# Altium PCB 智能锁实践教学平台.PcbDoc (part 2 of 3)
Units mil, origin at the board's own origin, x right, y up, seen from the top; angles counter-clockwise.
Board outline 8937.01 x 5984.25 mil, 2 copper layers (Top Layer, Bottom Layer); 219 components, 185 nets, 950 pads, 283 vias.
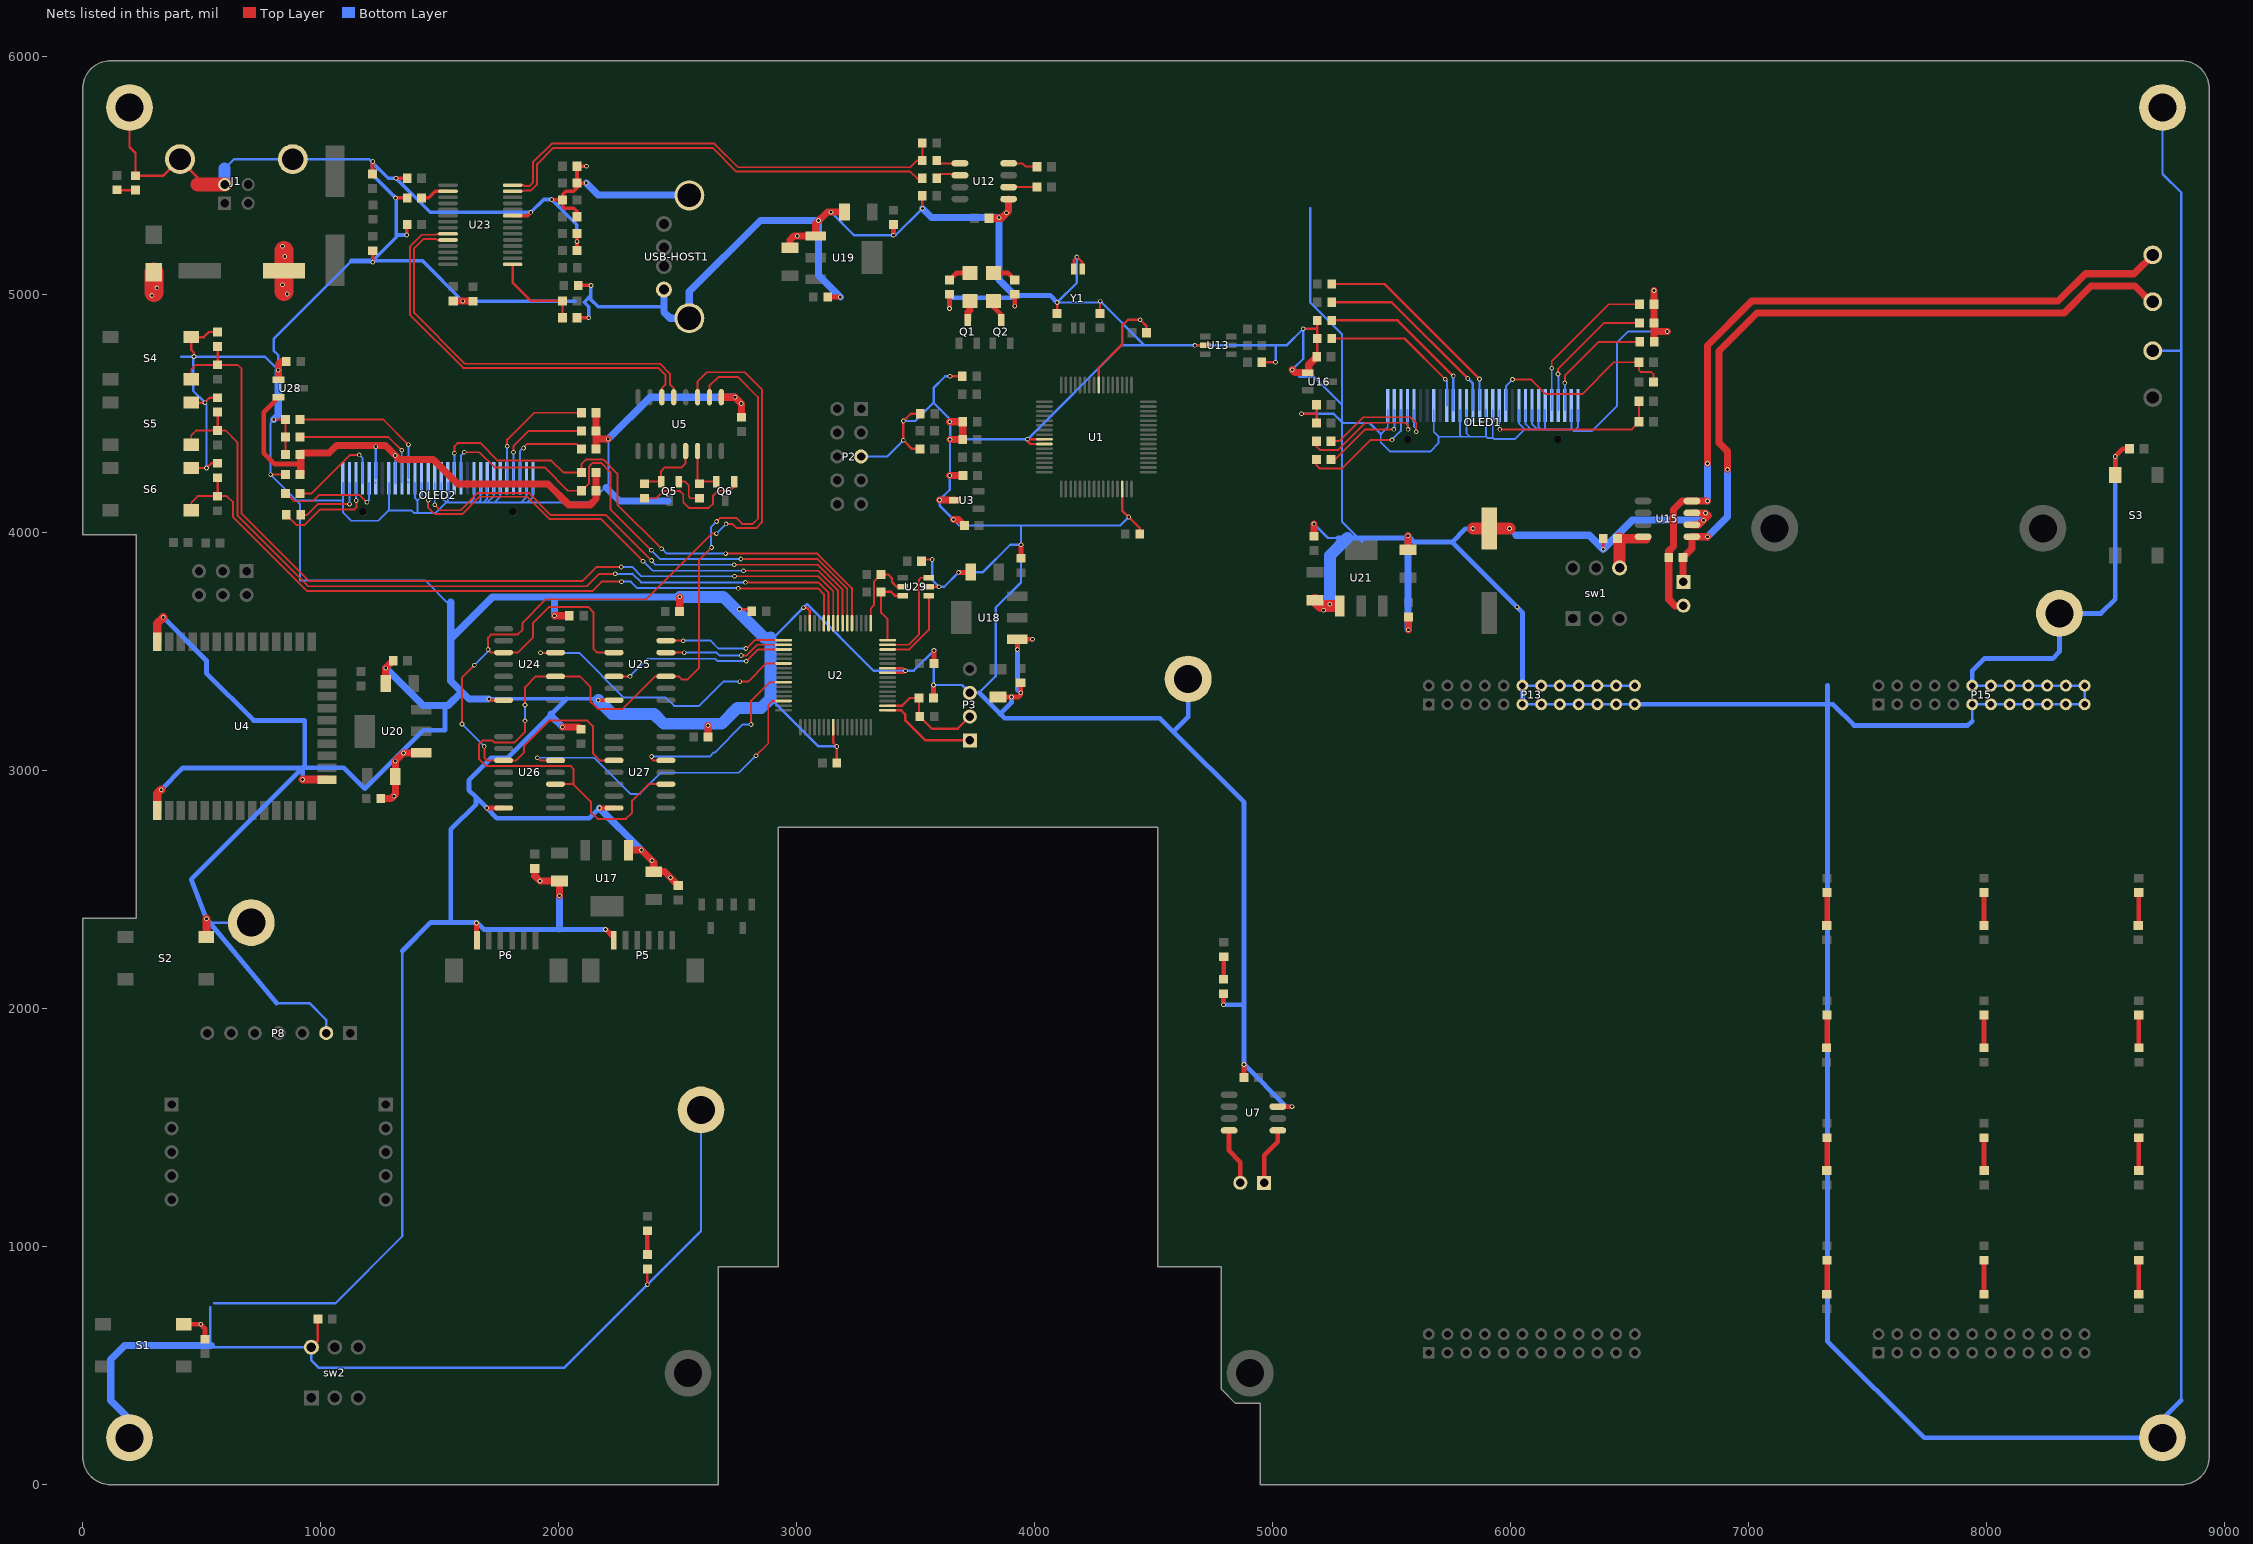
[diagram p2: the nets of this part, all layers, seen from the top]

## Via types
v1: diameter 19.68, hole 11.81, Top Layer to Bottom Layer, 283 vias

## Nets (pads, with @x,y where several pads share a name; then routed paths per layer and width w, separated by ;. In a path a pad name is that pad's centre, name@x,y a point inside that pad or via, vN(x,y) a via of type N, cw(c..) or ccw(c..) an arc to the next point about the centre after c; other vN are vias at no path point) (continued)
GND: C1.1 C2.1 C3.1 C4.1 C5.1 C6.1 C7.1 C8.1 C9.1 C10.1 C11.1 C12.1 C13.1 C14.2 C15.2 C16.2 C17.1 C18.2 C21.2 C22.2 C23.1 C24.1 C25.1 C26.1 C27.1 C29.2 C30.1 C31.2 C32.2 C33.2 C34.2 C35.2 C36.2 C37.2 C38.2 C39.2 C40.2 C41.2 C42.2 C43.2 C44.2 C45.2 C46.2 C47.2 C48.2 C49.2 C50.2 C51.2 C52.1 C53.1 C54.1 C55.1 C56.1 C57.1 C58.1 C59.2 C60.2 C61.1 C62.1 C63.1 C64.1 C67.2 C68.2 C69.1 C70.1 C71.1 C72.1 C73.1 C74.1 C75.2 C76.1 C77.2 C78.1 C79.1 C80.1 C81.1 D18.1 J1.4 J1.SH1 J1.SH2 OLED1.1 OLED1.8 OLED1.12 OLED1.13 OLED1.16 OLED1.17 OLED1.21 OLED1.22 OLED1.23 OLED1.24 OLED1.25 OLED1.29 OLED1.30 OLED2.1 OLED2.8 OLED2.12 OLED2.13 OLED2.16 OLED2.17 OLED2.21 OLED2.22 OLED2.23 OLED2.24 OLED2.25 OLED2.29 OLED2.30 P2.5 P3.3 P5.1 P6.1 P8.2 P9.2 P13.11 P13.12 P13.13 P13.14 P13.15 P13.16 P13.17 P13.18 P13.19 P13.20 P13.21 P13.22 P13.23 P13.24 P15.11 P15.12 P15.13 P15.14 P15.15 P15.16 P15.17 P15.18 P15.19 P15.20 P15.21 P15.22 P15.23 P15.24 pad.1 R3.1 R4.1 R5.1 R6.1 R9.2 R15.1 R16.1 R23.2 R25.1 R38.1 R40.1 R45.1 R46.1 R52.2 S1.2 S2.2 S3.2 S4.2 S5.2 S6.2 sw2.6 U1.9 U1.10 U1.30 U1.56 U2.9 U2.10 U2.30 U2.56 U3.3 U4.1 U4.15 U4.38 U5.1 U7.7 U12.1 U13.2 U15.6 U15.7 U16.1 U17.1 U18.1 U19.1 U20.1 U21.1 U23.23 U24.7 U25.7 U26.7 U27.7 U28.1 U29.2 USB-HOST1.4 USB-HOST1.5 USB-HOST1.6 Y1.3 Y1.4 | length 76662.7
  Top Layer w8: v1(790,4244.74) C67.2@852.69,4244.74 ; v1(803,4475.74) R46.1@852.69,4475.74 R45.1@852.69,4402.74 C68.2@852.69,4331.74
  Top Layer w10: pad.1@196.85,5787.4 pad.1@196.85,5769.89 ; pad.1@225,5741.74 pad.1@196.85,5769.89 ; S6.2@456.3,4272.32 v1(520.58,4272.32) 540.32,4292.06 C71.1@567,4292.06 ; S5.2@456.3,4547.32 v1(513.58,4547.32) 534.31,4568.05 C70.1@567,4568.05 ; v1(468,4740.74) 468,4756.74 456.3,4768.45 S4.2@456.3,4822.32 508.58,4822.32 530.31,4844.05 C69.1@567,4844.05 ; 512.04,5463.78 409,5566.82 J1.SH1@409,5570.47 339.58,5501.06 R9.2@222,5501.06 222,5595.74 196.85,5620.89 pad.1@196.85,5769.89 ; sw2.6@961.29,578.22 988.68,605.62 C26.1@988.68,696.74 ; v1(2373,840.74) R6.1@2373,906.43 ; v1(2760,3678.74) C10.1@2813.68,3678.74 ; v1(3029,3685.74) 3042,3685.74 3055.73,3672.01 U2.30@3055.73,3620.24 ; U2.56@3154.16,3183.24 3154.16,3117.58 v1(3169.32,3102.43) C11.1@3169.32,3032.74 ; U2.9@3382.5,3411.58 3448.84,3411.58 v1(3458,3420.74) 3447.47,3431.27 U2.10@3382.5,3431.27 ; R25.1@3518.69,4352.74 3485,4352.74 v1(3449,4388.74) v1(3449,4469.74) 3480,4500.74 C30.1@3519.68,4500.74 ; C76.1@3525.32,3884.74 3528.32,3887.74 v1(3570,3887.74) ; v1(3528.69,5363.05) C18.2@3528.69,5416.74 ; U29.2@3556.12,3773.74 v1(3598,3773.74) ; v1(3645.04,4657.74) C2.1@3696.68,4657.74 ; U1.10@4041.5,4373.21 3983.53,4373.21 3966,4390.74 3968.16,4392.9 v1(3970,4392.9) U1.9@4041.5,4392.9 ; C1.1@4095,4922.06 v1(4095,4967.74) ; Y1.3@4164.68,5108.94 4164.68,5146.42 v1(4178,5159.74) 4200.11,5137.63 Y1.4@4200.11,5108.94 ; U1.56@4269.84,4621.24 4269.84,4693.91 4368,4792.07 4368,4870.74 4393,4895.74 v1(4444,4895.74) 4470.32,4869.43 C7.1@4470.32,4840.74 ; C3.1@4275,4922.06 4275,4972.74 v1(4276,4973.74) ; U1.30@4368.27,4184.24 4368.27,4094.47 v1(4396,4066.74) 4442.32,4020.43 C9.1@4442.32,3994.74 ; v1(4674,4787.74) U13.2@4716.88,4787.74 ; C23.1@4955.32,4716.74 v1(5013,4716.74) ; v1(5122,4500.74) 5185.37,4500.74 ; v1(5129,4857.74) 5188.37,4857.74 ; C22.2@5185.37,4461.6 5185.37,4500.74 ; C21.2@5185.37,4538.03 5185.37,4500.74 ; C29.2@5188.37,4742.43 R15.1@5188.37,4816.45 5188.37,4857.74 ; R16.1@5188.37,4892.88 5188.37,4857.74 ; v1(6389.68,3931.06) C27.1@6389.68,3976.74
  Top Layer w15: C59.2@1218,5508.06 1218,5559.3 v1(1219,5560.3) ; v1(1219,5137.3) C60.2@1219,5185.43 ; v1(1315,5407.74) R38.1@1363.69,5407.74 ; v1(1317,5489.74) C63.1@1363.68,5489.74 ; v1(1362,5251.74) 1362,5294.06 C58.1@1363.68,5295.74 ; v1(1707,3301.74) 1712,3296.74 U24.7@1768.98,3296.74 ; U23.23@1806.83,5333.13 1869.39,5333.13 v1(1883,5346.74) ; v1@1971,5399.18 C61.1@2016.68,5399.18 ; C64.1@2077.32,4903.74 v1(2127,4903.74) ; C52.1@2077.32,5186.85 R40.1@2077.31,5257.63 ; C54.1@2077.32,5328.41 2077.32,5351.43 2064.35,5364.39 2052.59,5364.39 2052.24,5364.74 2024,5364.74 2016.68,5372.06 C61.1@2016.68,5399.18 ; C57.1@2082.32,5039.74 v1(2136,5039.74) ; v1(2116.22,5469.96) C53.1@2077.32,5469.96 ; v1(2117,5540.74) C55.1@2077.32,5540.74 C53.1@2077.32,5469.96 ; v1(2167,3296.74) U25.7@2232.98,3296.74 ; C61.1@2016.68,5399.18 2016.68,5421.43 2030.43,5435.17 2062.43,5435.17 2077.32,5450.06 C53.1@2077.32,5469.96
  Top Layer w20: S1.2@424.74,673.88 v1(496.42,673.88) 514,656.3 C14.2@514,611.61 ; v1(1655,2360.74) 1655,2289.52 P6.1@1656.97,2287.55 ; v1(1698,2843.74) U26.7@1768.98,2843.74 ; v1(2172.26,2843.74) U27.7@2232.98,2843.74 ; v1(2197.5,2333.24) 2231.97,2298.77 P5.1@2231.97,2287.55 ; C42.2@3131.32,4990.74 v1(3184,4990.74) ; v1(3407,5250.74) C43.2@3407,5295.43 ; C4.1@3575.32,3305.74 v1(3575.32,3360.74) ; C12.1@3577.32,3450.74 v1(3577.32,3506.06) ; v1(3643.11,4942.63) R3.1@3643.11,5002.18 ; v1(3681,3833.74) 3730.34,3833.74 C34.2@3732.34,3835.74 ; C35.2@3847,3310.08 v1(3903,3310.08) 3932.34,3310.08 3942,3319.74 v1(3942,3327.74) C39.2@3942,3369.43 ; v1(3917.11,4952.63) R4.1@3917.11,5002.18 ; v1(3928.11,3509.63) U18.1@3928.11,3553.19 v1(3991.45,3553.19) ; C38.2@3943,3893.06 v1(3943,3949.74) ; v1(4794,2016.74) R5.1@4794,2063.43 ; C15.2@4880.68,1711.74 v1(4880.68,1766.06) ; U7.7@5022.36,1588.74 v1(5082,1588.74) ; S3.2@8541.42,4243.04 v1(8541.42,4321.16) 8574,4353.74 C31.2@8601.69,4353.74
  Top Layer w30: U28.1@823.34,4644.14 823.34,4708.08 835,4719.74 C75.2@855.68,4719.74 ; C47.2@1252.32,2883.74 1297,2883.74 1314,2900.74 v1(1314,3040.74) v1(1348.45,3075.19) U20.1@1422.11,3075.19 ; C44.2@1273.34,3366.74 v1(1273.34,3431.39) C46.2@1304.68,3462.74 ; C56.1@1557,4974.43 C62.1@1639,4974.43 ; C36.2@1900,2589.43 1900,2558.74 v1(1921.66,2537.08) C32.2@2004,2537.08 v1(2004,2474.74) ; v1(1983,3651.74) C72.1@2044.68,3651.74 ; v1(2016,3183.74) 2085,3183.74 C79.1@2094.68,3174.06 ; C74.1@2157.32,4352.24 2157.31,4393.74 ; R52.2@2157.31,4504.74 2157.31,4393.74 ; v1(2209,4393.74) 2157.31,4393.74 ; U17.1@2293.55,2666.85 v1(2347.89,2666.85) v1(2392,2622.74) 2400,2614.74 C33.2@2400,2576.4 2444.65,2576.4 C37.2@2503,2518.06 ; C81.1@2509.32,3670.74 v1(2509.32,3731.06) ; C80.1@2628.32,3141.74 v1(2628.32,3190.43) ; U5.1@2684,4569.83 v1(2741.91,4569.83) v1(2768,4543.74) C78.1@2768,4486.06 ; C40.2@2972,5197.4 2972,5230.74 2988.55,5247.29 v1(3003,5247.29) U19.1@3080.89,5247.29 3080.89,5299.63 3130,5348.74 C41.2@3201.34,5348.74 ; v1(3601,4137.74) U3.3@3665.79,4137.74 ; v1(3644,4240.74) C6.1@3699.68,4240.74 ; v1(3644,4466.74) C8.1@3698.68,4466.74 C5.1@3698.68,4392.74 v1(3645,4392.74) ; v1(3659,4055.74) 3680.68,4055.74 C13.1@3705.68,4030.74 ; C17.1@3808.32,5321.74 3860,5321.74 3891.36,5353.1 U12.1@3891.36,5402.74 ; v1(5083,4685.74) 5095.6,4673.14 U16.1@5147.79,4673.14 ; U16.1@5152.37,4677.72 5152.37,4706.43 C29.2@5185.68,4739.74 ; C51.2@5174,3986.06 v1(5174,4037.74) ; C48.2@5570,3929.4 v1(5570,3987.74) ; v1(5571,3592.74) C50.2@5571,3646.43 ; C25.1@6603.32,4803.74 6603.32,4845.74 ; v1(6603.32,5018.06) R23.2@6603.32,4960.74 6603.32,4845.74 ; v1(6659,4845.74) 6603.32,4845.74 ; U15.6@6762.36,4033.74 6792,4033.74 v1(6811.5,4053.24) 6831,4072.74 v1(6820,4083.74) U15.7@6762.36,4083.74
  Top Layer w35: U4.1@313,2833.74 313,2903.74 v1(330,2920.74) ; U4.38@313,3542.4 313,3618.74 v1(339,3644.74) ; S2.2@520.3,2305.32 v1(520.3,2378.45) ; v1(924.47,2963.27) U4.15@1022.06,2963.27
  Top Layer w50: C49.2@5178,3717.08 5203.34,3691.74 5259,3691.74 ; v1(5842.17,4017.91) C77.2@5911,4017.91 v1(5995.84,4017.91)
  Top Layer w60: 483.48,5463.78 J1.4@596.78,5463.78
  Top Layer w80: 299,5010.3 D18.1@299,5095.56 ; 846.17,5014.13 C16.2@846.17,5102.3 846.17,5185.46
  Bottom Layer w8: v1(803,4475.74) 790,4462.74 v1(790,4244.74) ; OLED2.1@1093.43,4209.83 1093.43,4135.74 ; OLED2.8@1286.54,4209.75 1286.54,4094.28 ; OLED2.12@1396.78,4209.75 1396.78,4145.96 1407,4135.74 ; 1407,4088.74 1407,4135.74 ; OLED2.13@1424.34,4209.75 1424.34,4153.08 1407,4135.74 ; OLED2.16@1507.02,4209.75 1507.02,4147.76 1527.02,4127.76 ; OLED2.17@1534.58,4209.75 1534.58,4135.32 1527.02,4127.76 ; 1545,3693.74 1439,3799.74 914,3799.74 914,4120.74 v1(790,4244.74) ; OLED2.21@1644.81,4209.75 1644.81,4144.55 1628.02,4127.76 ; OLED2.22@1672.37,4209.75 1672.37,4137.11 1663.02,4127.76 ; OLED2.23@1699.93,4209.75 1699.93,4142.67 1685.02,4127.76 ; OLED2.24@1727.49,4209.75 1727.49,4154.23 1701.02,4127.76 ; OLED2.25@1755.05,4209.75 1755.05,4151.79 1731.02,4127.76 ; OLED2.29@1865.05,4209.65 1865.05,4149.79 1843.02,4127.76 ; OLED2.30@1892.57,4209.65 1892.57,4151.31 1869.02,4127.76 ; v1(2209,4393.74) 2209,4203.74 2133.02,4127.76 1869.02,4127.76 ; OLED1.1@5484.43,4515.83 5484.43,4444.17 5455,4414.74 5455,4380.74 5494,4341.74 5662,4341.74 5698.02,4377.76 5698.02,4403.72 ; OLED1.8@5677.54,4515.75 5677.54,4424.2 5698.02,4403.72 ; OLED1.12@5787.78,4515.75 5787.78,4410.52 5794.58,4403.72 ; OLED1.13@5815.34,4515.75 5815.34,4418.4 5830.02,4403.72 ; OLED1.16@5898.02,4515.75 5898.02,4403.72 ; OLED1.17@5925.58,4515.75 5925.58,4399.16 ; OLED1.21@6035.81,4515.75 6035.81,4459.93 6062.05,4433.69 ; OLED1.22@6063.37,4515.75 6063.37,4457.37 6087.05,4433.69 ; OLED1.23@6090.93,4515.75 6090.93,4456.81 6114.05,4433.69 ; OLED1.24@6118.49,4515.75 6118.49,4444.25 6129.05,4433.69 ; OLED1.25@6146.05,4515.75 6146.05,4433.69 ; OLED1.29@6256.05,4515.65 6256.05,4438.69 ; OLED1.30@6283.57,4515.65 6283.57,4444.31 6267,4427.74 ; v1(6659,4845.74) 6493,4845.74 6448,4800.74 6448,4534.74 6341,4427.74 6267,4427.74 ; v1(790,4244.74) 899,4135.74 1093.43,4135.74 ; 1093.43,4135.74 1093.43,4086.17 1128.86,4050.74 1243,4050.74 1286.54,4094.28 ; 1286.54,4094.28 1381.5,4094.28 1392.04,4083.74 1483,4083.74 1527.02,4127.76 ; 1527.02,4127.76 1628.02,4127.76 ; 1628.02,4127.76 1663.02,4127.76 ; 1663.02,4127.76 1685.02,4127.76 ; 1685.02,4127.76 1701.02,4127.76 ; 1701.02,4127.76 1731.02,4127.76 ; 1731.02,4127.76 1843.02,4127.76 ; 1843.02,4127.76 1869.02,4127.76 ; 5698.02,4403.72 5794.58,4403.72 ; 5794.58,4403.72 5830.02,4403.72 ; 5830.02,4403.72 5898.02,4403.72 ; 5898.02,4403.72 5902.58,4399.16 5925.58,4399.16 ; 5925.58,4399.16 5931,4393.74 6018,4393.74 6057.95,4433.69 6062.05,4433.69 ; 6062.05,4433.69 6087.05,4433.69 ; 6087.05,4433.69 6114.05,4433.69 ; 6114.05,4433.69 6129.05,4433.69 ; 6129.05,4433.69 6146.05,4433.69 ; 6146.05,4433.69 6251.05,4433.69 6256.05,4438.69 ; 6256.05,4438.69 6267,4427.74
  Bottom Layer w10: 414,4740.74 765,4740.74 v1(822,4683.74) 822,4746.74 802.5,4766.24 802.5,4815.24 1130,5142.74 ; v1@464,4740.74 464,4596.91 v1(513.58,4547.32) 520.58,4540.32 v1(520.58,4272.32) v1@523.42,4269.49 ; 535.52,746.26 535.52,584.74 535.52,578.22 961.29,578.22 961.29,522.45 993,490.74 2023,490.74 v1(2373,840.74) 2598.43,1066.17 pad.1@2598.43,1574.8 ; 536.54,2362.2 pad.1@708.66,2362.2 ; 552,762.74 1062,762.74 1343,1043.74 1343,2242.74 ; 596.78,5530.52 636.73,5570.47 J1.SH2@883.01,5570.47 1203.27,5570.47 v1@1218,5555.74 ; 814.16,2023.69 953.05,2023.69 1023.61,1953.13 P8.2@1023.61,1897.74 ; 2862,3560.74 2904,3560.74 3044,3700.74 3324,3420.74 v1(3458,3420.74) 3492,3420.74 v1(3577.32,3506.06) 3577.32,3362.74 v1(3575.32,3360.74) 3695,3360.74 P3.3@3728,3327.74 3767,3327.74 3837,3397.74 3837,3685.74 3943,3791.74 v1(3943,3949.74) ; 2891,3303.74 3092.32,3102.43 v1(3169.32,3102.43) ; v1(3145,5347.74) 3242,5250.74 v1(3407,5250.74) 3416.37,5250.74 v1(3528.69,5363.05) ; P2.5@3271,4320.74 3381,4320.74 v1(3449,4388.74) ; v1(3449,4469.74) 3499,4469.74 3576,4546.74 ; v1(3570,3887.74) 3570,3801.74 v1(3598,3773.74) 3621,3773.74 v1(3681,3833.74) 3782,3833.74 3898,3949.74 v1(3943,3949.74) ; v1(3645,4392.74) 3645,4241.74 v1(3644,4240.74) 3644,4180.74 v1(3601,4137.74) 3601,4114.74 3685,4030.74 4360,4030.74 v1(4396,4066.74) ; v1(3645.04,4657.74) 3625,4657.74 3576,4608.74 3576,4546.74 ; 3943,4026.06 v1(3943,3949.74) ; v1(4178,5159.74) 4178,5050.74 v1(4095,4967.74) 4270,4967.74 v1(4276,4973.74) 4462,4787.74 ; v1(5013,4716.74) 5013,4787.74 ; v1(5122,4500.74) 5256.71,4500.74 5292,4465.45 ; 5158,5363.74 5158,4968.74 5292,4834.74 5292,4538.03 ; v1(5174,4037.74) 5233.45,3978.29 5274,3978.29 ; 5377.45,3961.29 5360.45,3978.29 5292,4046.74 5292,4465.45 ; 5455,4414.74 5408.14,4461.6 5295.86,4461.6 5292,4465.45 ; P13.11@6050.43,3279.37 P13.13@6129.17,3279.37 P13.15@6207.91,3279.37 P13.17@6286.66,3279.37 P13.19@6365.4,3279.37 P13.21@6444.14,3279.37 P13.23@6522.88,3279.37 ; P13.12@6050.43,3358.11 P13.14@6129.17,3358.11 P13.16@6207.91,3358.11 P13.18@6286.66,3358.11 P13.20@6365.4,3358.11 P13.22@6444.14,3358.11 P13.24@6522.88,3358.11 ; 7940.43,3209.17 P15.11@7940.43,3279.37 P15.13@8019.17,3279.37 P15.15@8097.91,3279.37 P15.17@8176.65,3279.37 P15.19@8255.4,3279.37 P15.21@8334.13,3279.37 P15.23@8412.88,3279.37 P15.24@8412.88,3358.11 P15.22@8334.13,3358.11 P15.20@8255.4,3358.11 P15.18@8176.65,3358.11 P15.16@8097.91,3358.11 P15.14@8019.17,3358.11 P15.12@7940.43,3358.11 ; P9.2@8699,4765.19 8818.35,4765.19 ; pad.1@8740.16,5787.4 8740.16,5508.58 8818.9,5429.84 8818.9,354.33 ; 3576,4546.74 3645.16,4477.58 3645.16,4392.9 v1(3970,4392.9) 4364.84,4787.74 4462,4787.74 ; 4462,4787.74 v1(4674,4787.74) 5013,4787.74 ; 5013,4787.74 5059,4787.74 v1(5129,4857.74) 5129,4731.74 v1(5083,4685.74) 5113,4655.74 5174.29,4655.74 5292,4538.03 ; 5292,4465.45 5292,4538.03
  Bottom Layer w15: 1328,5251.74 v1(1362,5251.74) ; v1@1703.66,3302.08 2033.34,3302.08 2161.66,3302.08 v1(2167,3296.74) ; 2070,4973.74 v1(1597,4973.74) 1428,5142.74 1219,5142.74 1318,5241.74 1318,5404.74 v1(1315,5407.74) 1218,5504.74 1218,5555.74 1284,5489.74 v1(1317,5489.74) 1460,5346.74 v1(1883,5346.74) 1937,5400.74 v1(1971,5400.74) 2077,5294.74 v1(2077,5223.74) ; v1(2127,4903.74) 2127,4949.74 2107.5,4969.24 2136,4997.74 v1(2136,5039.74) 2136,4979.74 2166,4949.74 2434,4949.74 2442.25,4957.99 USB-HOST1.4@2442.25,5022.74
  Bottom Layer w20: v1(330,2920.74) 421.53,3012.27 924.47,3012.27 ; v1(339,3644.74) 520.19,3463.55 520.19,3409.55 718,3211.74 933,3211.74 933,3020.8 925.47,3013.27 ; 814.16,2023.69 v1(520.3,2378.45) 456.3,2544.09 924.47,3012.27 ; v1(924.47,2963.27) 924.47,3012.27 ; 1130,5142.74 v1@1219,5142.74 ; 1343,2242.74 1463.03,2362.77 1547,2362.77 ; 1518,3275.08 1522.55,3270.53 1522.55,3170.19 1431.79,3170.19 1186,2924.4 1097.13,3013.27 925.47,3013.27 ; v1(1655,2360.74) 1659,2360.74 1686.5,2333.24 v1(2197.5,2333.24) ; v1@1656.97,2362.77 1547,2362.77 ; 2033.34,3302.08 1969,3237.74 1786,3054.74 1718,3054.74 1623,2959.74 1623,2918.74 1653,2888.74 ; v1(2172.26,2843.74) 2129.26,2800.74 1741,2800.74 v1(1698,2843.74) 1653,2888.74 ; 3643.11,4987.63 3907.11,4987.63 3917.11,4997.63 4065.11,4997.63 v1(4095,4967.74) ; 3767,3327.74 3855.5,3239.24 ; v1(3903,3310.08) 3903,3286.74 3855.5,3239.24 ; v1(3928.11,3509.63) 3928.11,3341.63 v1(3942,3327.74) ; pad.1@4645.67,3385.83 4645.67,3226.41 4583.5,3164.24 ; v1(4794,2016.74) 4879.68,2016.74 ; v1(5082,1588.74) 5058,1588.74 v1(4880.68,1766.06) 4880.68,2867.06 4583.5,3164.24 ; 5274,3978.29 5315,3978.29 5360.45,3978.29 5570,3978.29 5579.45,3978.29 5596.45,3961.29 5754.45,3961.29 ; 6023,3989.74 5996,4016.74 5809.9,4016.74 5754.45,3961.29 ; P13.11@6050.43,3279.37 P13.12@6050.43,3358.11 6050.43,3665.31 v1(6028,3687.74) 5754.45,3961.29 ; P13.23@6522.88,3279.37 7355.37,3279.37 7444,3190.74 7922,3190.74 7940.43,3209.17 ; 7332,3358.74 7332,603.74 7738.89,196.85 8661.42,196.85 8818.9,354.33 ; P15.12@7940.43,3358.11 7940.43,3421.17 7991,3471.74 8279,3471.74 8307.09,3499.83 pad.1@8307.09,3661.42 8481.68,3661.42 8541.42,3721.16 v1(8541.42,4321.16) ; 924.47,3012.27 925.47,3013.27 ; 1547,2362.77 1547,2753.74 1653,2859.74 1653,2888.74 ; 3855.5,3239.24 3874,3220.74 4527,3220.74 4583.5,3164.24
  Bottom Layer w30: pad.1@191.85,280.59 118.11,354.33 118.11,525.85 177,584.74 535.52,584.74 542,584.74 ; v1(803,4475.74) 822,4494.74 v1(822,4683.74) ; v1(1273.34,3431.39) 1429.65,3275.08 1518,3275.08 1536.34,3275.08 1593,3331.74 ; 1547,3554.74 1723.32,3731.06 v1(2509.32,3731.06) ; 1547,3709.74 1547,3377.74 1593,3331.74 ; v1(1707,3301.74) 1623,3301.74 1593,3331.74 ; 1969,3237.74 1969,3230.74 v1(2016,3183.74) ; v1(1983,3651.74) 1983,3725.06 ; 2004,2335.24 v1(2004,2474.74) ; v1(2116.22,5469.96) 2166.44,5419.74 USB-HOST1.6@2549.25,5419.74 ; v1(2172.26,2843.74) 2172.26,2842.48 v1(2347.89,2666.85) ; 2199,4190.74 2256,4133.74 2460,4133.74 ; v1(2209,4393.74) 2385.09,4569.83 v1(2741.91,4569.83) ; USB-HOST1.4@2442.25,5022.74 2442.25,4928.49 2469,4901.74 2549.25,4901.74 2549.25,5013.99 2848,5312.74 v1(3092,5312.74) 3092,5082.74 v1(3184,4990.74) ; v1(3528.69,5363.05) 3567,5324.74 v1(3851,5324.74) 3851,5063.74 3917.11,4997.63 ; v1@5570,3593.74 5570,3978.29 v1(5570,3987.74) ; 6023,3989.74 6331,3989.74 v1(6389.68,3931.06) 6511.87,4053.24 v1(6811.5,4053.24)
  Bottom Layer w50: J1.4@596.78,5463.78 596.78,5530.52 ; v1(2167,3296.74) 2225,3238.74 2401,3238.74 2442,3197.74 2621,3197.74 ; v1(2509.32,3731.06) 2691.68,3731.06 2862,3560.74 ; v1(2628.32,3190.43) 2621,3197.74 ; 2891,3560.74 2891,3303.74 2851.84,3264.58 2751.84,3264.58 2685,3197.74 2621,3197.74 ; v1(5241,3699.74) 5241,3904.29 5315,3978.29
  other v1: 2470,2551.06 1309,2892.74 5215,3674.74 291,4997.3 860,5003.3 312,5029.3 840,5042.3 849,5161.3 840,5204.3 3882,5344.74
KEY1: C69.2 R44.1 S4.1 U2.25 | length 3758.5
  Top Layer w8: S4.1@456.3,4645.16 456.3,4687.04 475.31,4706.05 R44.1@567,4706.05 650.69,4706.05 668,4688.74 668,4080.65 950.91,3797.74 2101,3797.74 2160,3856.74 v1(2263,3856.74) ; v1(2739,3817.74) 3090.91,3817.74 3154.16,3754.49 U2.25@3154.16,3620.24
  Top Layer w10: R44.1@567,4706.05 C69.2@567,4783.42
  Bottom Layer w8: v1(2263,3856.74) 2309,3856.74 2348,3817.74 v1(2739,3817.74)
KEY2: C70.2 R47.1 S5.1 U2.26 | length 3438.5
  Top Layer w8: S5.1@456.3,4370.16 456.3,4410.04 476.31,4430.05 R47.1@567,4430.05 600.69,4430.05 650,4380.74 650,4073.2 947.46,3775.74 2119,3775.74 2171,3827.74 v1(2238,3827.74) ; v1(2785,3791.74) 3091.46,3791.74 3134.47,3748.73 U2.26@3134.47,3620.24
  Top Layer w10: R47.1@567,4430.05 C70.2@567,4507.42
  Bottom Layer w8: v1(2238,3827.74) 2309,3827.74 2310,3828.74 2347,3791.74 v1(2785,3791.74)
KEY3: C71.2 R48.1 S6.1 U2.27 | length 3141.4
  Top Layer w8: S6.1@456.3,4095.16 456.3,4127.04 483.31,4154.05 R48.1@567,4154.05 605.68,4154.06 632,4127.74 632,4065.74 943,3754.74 2141,3754.74 2181,3794.74 v1(2264,3794.74) ; v1(2755,3766.74) 3091,3766.74 3114.79,3742.95 U2.27@3114.79,3620.24
  Top Layer w10: R48.1@567,4154.05 C71.2@567,4231.43
  Bottom Layer w8: v1(2264,3794.74) 2304,3794.74 2330.68,3768.06 2753.68,3768.06 v1(2755,3766.74)
LOG_USB_N: R10.2 U23.27 | length 1900.2
  Top Layer w8: U23.27@1806.83,5435.49 1852.17,5435.49 1855.96,5439.28 1885,5439.28 1910,5464.28 1910,5549.28 1978.46,5617.74 2647,5617.74 2746.5,5518.24 3477.88,5518.24 3506.38,5489.74 R10.2@3528.68,5489.74
LOG_USB_P: R7.1 R12.2 U23.28 | length 1973.2
  Top Layer w8: U23.28@1806.83,5461.08 1852.17,5461.08 1855.96,5457.28 1877.54,5457.28 1892,5471.74 1892,5556.74 1971,5635.74 2654.46,5635.74 2753.96,5536.24 3477.88,5536.24 3506.38,5564.74 R12.2@3528.68,5564.74 R7.1@3528.69,5637.74
MONITOR_BIOVO_EN: U2.42 U27.12 | length 821
  Top Layer w8: v1(2391,3059.74) 2391,3049.74 2397,3043.74 U27.12@2451.01,3043.74 ; v1(2809,3194.74) 2809,3294.74 2886.47,3372.21 U2.42@2945.5,3372.21
  Bottom Layer w8: v1(2391,3059.74) 2635,3059.74 2653,3077.74 2657.8,3077.74 2774.8,3194.74 v1(2809,3194.74) v1@2815,3194.74
MONITOR_ESP32_EN: U2.38 U24.12 | length 1251
  Top Layer w8: v1(1924,3495.74) 1986.01,3495.74 U24.12@1987.01,3496.74 ; v1(2761,3374.74) 2796,3374.74 2872.21,3450.95 U2.38@2945.5,3450.95
  Bottom Layer w8: v1(1924,3495.74) 2086.25,3495.74 2274.25,3307.74 2450.25,3307.74 2485.1,3272.9 2591.16,3272.9 2693,3374.74 v1(2761,3374.74)
MONITOR_F1020_EN: U2.46 U26.12 | length 1433.5
  Top Layer w8: v1(1911,3054.74) 1922,3043.74 U26.12@1987.01,3043.74 ; v1(2829.5,3063.24) 2881,3114.74 2881,3275.11 2899.36,3293.47 U2.46@2945.5,3293.47
  Bottom Layer w8: v1(1911,3054.74) 2150,3054.74 2301.66,2903.08 2341.49,2903.08 2430.14,2991.74 2758,2991.74 v1(2829.5,3063.24)
MONITOR_MCU_NRST: C4.2 P3.2 R2.1 U2.2 | length 476.6
  Top Layer w10: U2.2@3382.5,3273.79 3444.05,3273.79 3476,3305.74 C4.2@3514.68,3305.74 3514.68,3231.74 R2.1@3517.69,3228.74 3569.69,3176.74 3677,3176.74 P3.2@3728,3227.74
MONITOR_MCU_SWIM: P3.1 U2.1 | length 411.9
  Top Layer w10: U2.1@3382.5,3254.1 3439.64,3254.1 3456,3237.74 3456,3213.74 3542,3127.74 P3.1@3728,3127.74
MONITOR_NB_EN: U2.34 U25.12 | length 518.1
  Top Layer w8: U25.12@2451.01,3496.74 v1(2528,3496.74) ; v1(2768,3484.74) 2790.37,3484.74 2835.32,3529.69 U2.34@2945.5,3529.69
  Bottom Layer w8: v1(2528,3496.74) 2664,3496.74 2676,3484.74 v1(2768,3484.74)
MONITOR_OLED_D0: OLED2.18 R50.2 U2.21 | length 2373.1
  Top Layer w8: v1(1562.13,4334.74) 1562.13,4362.87 1576,4376.74 1672,4376.74 1745,4303.74 1970,4303.74 2020.75,4252.99 R50.2@2096.68,4252.99 2096.68,4289.42 2116,4308.74 2187,4308.74 2247,4248.74 2247,4118.74 v1(2433,3932.74) ; v1(2702,3912.74) 3087.88,3912.74 3232.9,3767.72 U2.21@3232.9,3620.24
  Bottom Layer w8: OLED2.18@1562.13,4209.75 v1(1562.13,4334.74) ; v1(2433,3932.74) 2435,3932.74 2455,3912.74 v1(2702,3912.74)
MONITOR_OLED_D1: OLED2.19 R49.2 U2.22 | length 2355.2
  Top Layer w8: v1(1604,4338.74) 1667,4338.74 1731,4274.74 1941,4274.74 2039,4176.74 R49.2@2096.68,4176.74 2127.01,4207.06 2127.01,4277.25 2142.5,4292.74 2180.37,4292.74 2218,4255.11 2218,4098.74 v1(2390,3926.74) ; v1(2766,3889.74) 3088.25,3889.74 3213.21,3764.78 U2.22@3213.21,3620.24
  Bottom Layer w8: OLED2.19@1589.69,4209.75 1589.69,4324.43 v1(1604,4338.74) ; v1(2390,3926.74) 2427,3889.74 v1(2766,3889.74)
MONITOR_OLED_D/C: OLED2.15 U2.23 | length 2157.1
  Top Layer w8: v1(1479.46,4118.2) 1502.92,4094.74 1588,4094.74 1661,4167.74 1875,4167.74 1968,4074.74 2200,4074.74 v1(2391,3883.74) ; v1(2738,3865.74) 3089.63,3865.74 3193.53,3761.84 U2.23@3193.53,3620.24
  Bottom Layer w8: v1(1479.46,4118.2) OLED2.15@1479.46,4209.75 ; v1(2391,3883.74) 2391,3880.74 2406,3865.74 v1(2738,3865.74)
MONITOR_OLED_RES: OLED2.14 U2.24 | length 2168.7
  Top Layer w8: v1(1451.9,4136.84) 1451.9,4105.84 1479,4078.74 1594.63,4078.74 1667.63,4151.74 1868.37,4151.74 1961.37,4058.74 2177,4058.74 v1(2355,3880.74) ; v1(2777,3840.74) 3092,3840.74 3173.84,3758.9 U2.24@3173.84,3620.24
  Bottom Layer w8: v1(1451.9,4136.84) OLED2.14@1451.9,4209.75 ; v1(2355,3880.74) 2395,3840.74 v1(2777,3840.74)
MONITOR_OLED_VCC: C67.1 C68.1 OLED2.6 OLED2.9 R49.1 R50.1 U28.2 | length 2254
  Top Layer w20: U28.2@823.34,4569.34 761,4507 761,4334.74 807,4288.74 916.32,4288.74
  Top Layer w30: C67.1@916.32,4244.74 916.32,4288.74 916.32,4335.58 1035.84,4335.58 1067,4366.74 1272,4366.74 1331,4307.74 1473,4307.74 1576,4204.74 1956,4204.74 2043,4117.74 2133,4117.74 2157.31,4142.05 R49.1@2157.31,4176.74 R50.1@2157.31,4252.99
  Bottom Layer w8: OLED2.6@1230,4211.18 OLED2.6@1231.43,4209.75 ; v1(1314,4324.74) 1314,4209.85 OLED2.9@1314.1,4209.75
  Bottom Layer w10: OLED2.6@1231,4230.08 OLED2.6@1231.43,4229.65 v1(1231.43,4362.31)
MONITOR_PG0: U2.14 U29.1 | length 352
  Top Layer w8: U2.14@3382.5,3510.01 3474.27,3510.01 3556.12,3591.86 U29.1@3556.12,3736.34
MONITOR_PG1: U2.15 U29.3 | length 425.1
  Top Layer w8: U2.15@3382.5,3529.69 3471.32,3529.69 3515,3573.37 3515,3727.02 3515,3803.74 3522.4,3811.14 U29.3@3556.12,3811.14
MONITOR_PG2: R53.1 U2.16 U29.6 | length 320.1
  Top Layer w8: R53.1@3355.31,3751.74 3355.31,3663.43 3382.5,3636.24 U2.16@3382.5,3549.38 ; U29.6@3445.88,3736.34 U29.6@3455.4,3736.34
  Top Layer w10: R53.1@3355.31,3751.74 3398,3751.74 3413.4,3736.34 U29.6@3445.88,3736.34
MONITOR_PG3: R54.1 U2.17 U29.5 | length 343.7
  Top Layer w8: U2.17@3311.64,3620.24 3311.64,3681.38 3324.99,3694.73 3324.99,3794.42 R54.1@3355.31,3824.74
  Top Layer w10: R54.1@3355.31,3824.74 3385,3824.74 3401,3808.74 3401,3792.74 3420,3773.74 U29.5@3445.88,3773.74
MONITOR_RX: U5.3 U24.3 U25.3 U26.3 U27.3 | length 4504.8
  Top Layer w8: v1(1594,3196.74) 1594,3391.74 v1(1646,3443.74) ; v1(1688,3102.74) 1688,3055.74 1700,3043.74 U26.3@1768.98,3043.74 1822,3043.74 1854,3075.74 1854,3103.74 1961,3210.74 2121,3210.74 2144,3187.74 2144,3073.74 2174,3043.74 U27.3@2232.98,3043.74 ; U25.3@2232.98,3496.74 2162,3496.74 2146,3512.74 2146,3666.74 2124,3688.74 1960.25,3688.74 1892,3620.49 1892,3559.74 1829,3496.74 U24.3@1768.98,3496.74 1714,3496.74 1704,3506.74 v1(1704,3509.74) 1704,3559.74 1717.7,3573.44 1828.7,3573.44 1849,3593.74 1849,3622.74 1947,3720.74 2368,3720.74 2644,3996.74 v1(2663,3996.74) ; U5.3@2584,4569.83 2584,4636.74 2622,4674.74 2782,4674.74 2854,4602.74 2854,4043.74 2830,4019.74 2748.63,4019.74 2730.63,4037.74 v1(2704,4037.74)
  Bottom Layer w8: v1(1594,3196.74) v1(1688,3102.74) ; v1(1646,3443.74) 1704,3501.74 v1(1704,3509.74) ; v1(2663,3996.74) v1(2704,4037.74)
MONITOR_TX: U5.2 U24.10 U25.10 U26.10 U27.10 | length 4177.8
  Top Layer w8: v1(1859,3209.74) 1859,3163.37 1815.37,3119.74 1730,3119.74 1722,3127.74 1682,3127.74 1665,3110.74 1665,3049.74 1694.3,3020.44 2050.3,3020.44 2062.63,3008.11 2062.63,2943.74 ; v1(1859,3276.74) 1859,3352.11 1903.63,3396.74 U24.10@1987.01,3396.74 2090,3396.74 2134,3352.74 2134,3290.74 2145,3279.74 2145.25,3279.74 2165.25,3259.74 2269,3259.74 2406,3396.74 U25.10@2451.01,3396.74 2504,3396.74 2517,3383.74 2542,3383.74 2590,3431.74 2590,3885.74 v1(2643,3938.74) ; U26.10@1987.01,2943.74 2062.63,2943.74 ; U27.10@2451.01,2943.74 2378,2943.74 2309,2874.74 2309,2823.74 2283,2797.74 2164,2797.74 2136,2825.74 2136,2870.37 2062.63,2943.74 ; U5.2@2634,4569.83 2634,4617.74 2671,4654.74 2754,4654.74 2838,4570.74 2838,4059.74 2816,4037.74 2771,4037.74 2746,4062.74 2679,4062.74 v1(2664,4047.74)
  Bottom Layer w8: v1(1859,3209.74) v1(1859,3276.74) ; v1(2643,3938.74) 2641.16,3940.58 2641.16,4024.9 v1(2664,4047.74)
MONITOR_USB_N: U5.6 U23.9 | length 1747.8
  Top Layer w8: U23.9@1535.17,5256.35 1489.83,5256.35 1486.04,5252.56 1424.36,5252.56 1375,5203.2 1375,4916.74 1599,4692.74 2419,4692.74 2450,4661.74 2450,4624.18 2434,4608.18 U5.6@2434,4569.83
MONITOR_USB_P: U5.5 U23.10 | length 1718
  Top Layer w8: U23.10@1535.17,5230.76 1489.83,5230.76 1486.04,5234.56 1431.82,5234.56 1393,5195.74 1393,4924.2 1606.46,4710.74 2426.46,4710.74 2468,4669.2 2468,4624.18 2484,4608.18 U5.5@2484,4569.83
MOTOR_A: C28.1 P7.1 P10.1 U15.5 | length 3064.3
  Top Layer w30: P7.1@6727,3793.74 6725.31,3795.43 C28.1@6725.31,3896.74 6762.36,3933.79 U15.5@6762.36,3983.74 v1(6828,3983.74) ; v1(6912,4266.74) 6912,4342.74 6876,4378.74 6876,4763.74 7036,4923.74 8327,4923.74 8440,5036.74 8624,5036.74 P10.1@8696,4964.74
  Bottom Layer w30: v1(6828,3983.74) 6912,4067.74 v1(6912,4266.74)
MOTOR_B: C28.2 P7.2 P10.2 U15.8 | length 3300
  Top Layer w30: P7.2@6727,3693.74 6692,3693.74 6665,3720.74 6665,3922.74 6685,3942.74 6685,4097.74 6721,4133.74 U15.8@6762.36,4133.74 v1(6828,4133.74) ; v1(6828,4291.74) 6828,4787.74 7014,4973.74 8301,4973.74 8416,5088.74 8620.55,5088.74 P10.2@8700,5168.19
  Bottom Layer w30: v1(6828,4133.74) v1(6828,4291.74)
NB_MONITOR_EN: U2.35 U25.5 | length 767.7
  Top Layer w8: U25.5@2232.98,3396.74 v1(2300,3396.74) ; v1(2789,3460.74) 2838.27,3510.01 U2.35@2945.5,3510.01
  Bottom Layer w8: v1(2300,3396.74) 2374,3470.74 2659,3470.74 2669,3460.74 v1(2789,3460.74)
NB_USART3_EN: U2.33 U25.13 | length 523.7
  Top Layer w8: U25.13@2451.01,3546.74 v1(2524,3546.74) ; v1(2787,3513.74) 2788,3512.74 2824.64,3549.38 U2.33@2945.5,3549.38
  Bottom Layer w8: v1(2524,3546.74) 2639,3546.74 2672,3513.74 v1(2787,3513.74)
NetC19_1: C19.1 OLED1.4 | length 562.8
  Top Layer w8: C19.1@5185.37,4385.17 5185.37,4362.37 5199,4348.74 5276,4348.74 5390,4462.74 5557,4462.74 5570,4449.74 v1(5570,4434.74)
  Bottom Layer w8: OLED1.4@5567.31,4515.75 5567.31,4451.43 5570,4448.74 v1(5570,4434.74)
NetC19_2: C19.2 OLED1.5 | length 541.4
  Top Layer w8: C19.2@5246,4385.17 5281.43,4385.17 5382,4485.74 5580,4485.74 5604,4461.74 v1(5604,4424.74)
  Bottom Layer w8: OLED1.5@5594.87,4515.75 5594.87,4446.87 5603.53,4438.21 5603.53,4425.21 v1(5604,4424.74)
NetC20_1: C20.1 OLED1.2 | length 398.1
  Top Layer w8: C20.1@5246,4308.74 5264,4308.74 5390,4434.74 v1(5510,4434.74)
  Bottom Layer w8: v1(5510,4434.74) 5512.19,4436.93 OLED1.2@5512.19,4515.75
NetC20_2: C20.2 OLED1.3 | length 540.4
  Top Layer w8: C20.2@5185.37,4308.74 5185.37,4283.37 5199,4269.74 5292,4269.74 5413,4390.74 v1(5502,4390.74) v1@5504,4390.74
  Bottom Layer w8: v1(5502,4390.74) 5539.75,4428.49 OLED1.3@5539.75,4515.75
NetC24_2: C24.2 OLED1.27 | length 596.2
  Top Layer w8: v1(6200,4667.74) 6200,4689.74 6392,4881.74 C24.2@6542.69,4881.74
  Bottom Layer w8: OLED1.27@6201.17,4515.75 v1@6201.17,4667.74
NetC25_2: C25.2 OLED1.28 | length 518.2
  Top Layer w8: v1(6228.53,4630.27) 6228.53,4659.27 6372,4802.74 C25.2@6543.69,4802.74
  Bottom Layer w8: OLED1.28@6228.53,4515.69 v1(6228.53,4630.27)
NetC27_2: C27.2 sw1.4 U15.4 | length 234.6
  Top Layer w40: C27.2@6459.14,3975.92 U15.4@6571,3975.92
  Top Layer w50: sw1.4@6459.14,3853.22 C27.2@6459.14,3975.92
NetC64_2: C64.2 R41.1 U23.15 | length 379.7
  Top Layer w10: U23.15@1806.83,5128.4 1806.83,5051.91 1884.22,4974.52 R41.1@2007.22,4974.52 ; C64.2@2016.68,4903.74 R41.1@2016.68,4974.52
NetC65_1: C65.1 OLED2.4 | length 436.7
  Top Layer w8: C65.1@916.32,4165.74 962,4165.74 1124,4327.74 v1(1162,4327.74)
  Bottom Layer w8: v1(1162,4327.74) 1176.31,4313.43 OLED2.4@1176.31,4229.65 OLED2.4@1176.31,4209.75
NetC65_2: C65.2 OLED2.5 | length 461.3
  Top Layer w8: C65.2@855.68,4165.74 888.68,4132.74 967,4132.74 993,4158.74 1164,4158.74 v1(1194.5,4128.24)
  Bottom Layer w8: v1(1194.5,4128.24) 1203.87,4137.61 OLED2.5@1203.87,4209.75
NetC66_1: C66.1 OLED2.2 | length 312.1
  Top Layer w8: C66.1@916.32,4075.74 943,4075.74 988,4120.74 v1(1121,4120.74)
  Bottom Layer w8: v1(1121,4120.74) OLED2.2@1121,4209.56
NetC66_2: C66.2 OLED2.3 | length 443.7
  Top Layer w8: C66.2@855.68,4075.74 897.68,4033.74 933,4033.74 998.16,4098.9 1142.16,4098.9 1150,4106.74 v1(1150,4135.74)
  Bottom Layer w8: v1@1148.75,4136.99 OLED2.3@1148.75,4209.75
NetC73_2: C73.2 OLED2.27 | length 467.2
  Top Layer w8: v1(1810.17,4338.91) 1810.17,4363.57 1875.09,4428.49 C73.2@2096.68,4428.49
  Bottom Layer w8: OLED2.27@1810.17,4209.75 v1(1810.17,4338.91)
NetC74_2: C74.2 OLED2.28 | length 414.3
  Top Layer w8: v1(1853,4356.74) 1853,4357.74 1869,4373.74 2075.19,4373.74 C74.2@2096.68,4352.24
  Bottom Layer w8: OLED2.28@1837.53,4209.69 1837.53,4342.27 1852,4356.74 v1(1853,4356.74)
NetD1_A: D1.A Q1.3 | length 83.7
  Top Layer w30: Q1.3@3720.11,4894.7 3720.11,4927.85 3729,4936.74 D1.A@3729,4974.74
NetD1_K: D1.K R3.2 | length 98.1
  Top Layer w20: R3.2@3643.11,5062.81 3672.56,5092.26 D1.K@3729,5092.26
NetD2_A: D2.A Q2.3 | length 94.2
  Top Layer w20: D2.A@3827,4974.74 3827,4950.74 3861.11,4916.63 Q2.3@3861.11,4894.7
NetD2_K: D2.K R4.2 | length 102.3
  Top Layer w20: D2.K@3827,5092.26 3887.66,5092.26 R4.2@3917.11,5062.81
NetD3_K: D3.K R5.2 | length 93.4
  Top Layer w20: R5.2@4795,2125.06 D3.K@4795,2218.43
NetD4_K: D4.K R6.2 | length 99.4
  Top Layer w20: R6.2@2373,967.06 D4.K@2373,1066.43
NetD5_K: D5.K R9.1 | length 77
  Top Layer w10: D5.K@145,5440.43 R9.1@222,5440.43
NetD6_K: D6.K R26.2 | length 137.4
  Top Layer w20: R26.2@7330,2351.06 D6.K@7330,2488.43
NetD7_K: D7.K R27.2 | length 135.4
  Top Layer w20: R27.2@7330,1838.06 D7.K@7330,1973.43
NetD8_K: D8.K R28.2 | length 137.4
  Top Layer w20: R28.2@7330,1321.06 D8.K@7330,1458.43
NetD9_K: D9.K R29.2 | length 142.4
  Top Layer w20: R29.2@7330,801.06 D9.K@7330,943.43
NetD10_K: D10.K R30.2 | length 138.4
  Top Layer w20: R30.2@7990,2350.06 D10.K@7990,2488.43
NetD11_K: D11.K R31.2 | length 137.4
  Top Layer w20: R31.2@7990,1836.06 D11.K@7990,1973.43
NetD12_K: D12.K R32.2 | length 137.4
  Top Layer w20: R32.2@7990,1321.05 D12.K@7990,1458.43
NetD13_K: D13.K R33.2 | length 143.4
  Top Layer w20: R33.2@7990,800.06 D13.K@7990,943.43
NetD14_K: D14.K R34.2 | length 136.4
  Top Layer w20: R34.2@8640,2352.06 D14.K@8640,2488.43
NetD15_K: D15.K R35.2 | length 136.4
  Top Layer w20: R35.2@8640,1837.05 D15.K@8640,1973.43
NetD16_K: D16.K R36.2 | length 138.4
  Top Layer w20: R36.2@8640,1320.06 D16.K@8640,1458.43
NetD17_K: D17.K R37.2 | length 143.4
  Top Layer w20: R37.2@8640,800.06 D17.K@8640,943.43
NetOLED1_10: OLED1.10 R15.2 | length 662
  Top Layer w10: R15.2@5249,4816.45 5555.29,4816.45 v1(5726,4645.74)
  Bottom Layer w8: v1(5726,4645.74) 5732.66,4639.08 OLED1.10@5732.66,4535.65
  Bottom Layer w10: v1@5725,4644.74 v1(5726,4645.74)
NetOLED1_11: OLED1.11 R16.2 | length 751.8
  Top Layer w10: R16.2@5249,4892.88 5525.86,4892.88 5759,4659.74 v1(5760.22,4659.74)
  Bottom Layer w10: OLED1.11@5760.22,4515.75 v1(5760.22,4659.74)
NetOLED1_14: OLED1.14 R17.2 | length 845.6
  Top Layer w10: R17.2@5249,4969.31 5500.43,4969.31 v1(5821,4648.74)
  Bottom Layer w10: v1(5821,4648.74) 5842,4627.74 OLED1.14@5842,4516.65
NetOLED1_15: OLED1.15 R18.2 | length 916.8
  Top Layer w10: R18.2@5249,5045.74 5471,5045.74 v1(5870,4646.74)
  Bottom Layer w10: OLED1.15@5870,4516.21 v1(5870,4646.74)
NetOLED1_18: OLED1.18 R19.2 R22.2 | length 766.7
  Top Layer w8: v1(5955,4434.74) 6510.37,4434.74 R19.2@6542.37,4466.74 ; R19.2@6540.68,4468.43 R22.2@6540.68,4552.74
  Bottom Layer w8: OLED1.18@5953.13,4515.75 5953.13,4436.61 v1(5955,4434.74)
NetOLED1_19: OLED1.19 R20.2 R21.2 | length 891.6
  Top Layer w8: v1@6004,4644.74 6086,4644.74 6148,4582.74 6301,4582.74 6435,4716.74 R20.2@6540.68,4716.74 6540.68,4683.06 6548,4675.74 6591,4675.74 6601.32,4665.43 R21.2@6601.32,4634.07
  Bottom Layer w8: OLED1.19@5980.69,4515.75 5980.69,4616.43 v1(6009,4644.74)
NetOLED1_26: OLED1.26 R23.1 | length 673.7
  Top Layer w8: v1(6173.61,4691.74) 6173.61,4721.13 6413.22,4960.74 R23.1@6542.69,4960.74
  Bottom Layer w8: OLED1.26@6173.61,4515.75 v1(6173.61,4691.74)
NetOLED2_10: OLED2.10 R45.2 | length 586.2
  Top Layer w8: R45.2@914.32,4402.74 1285,4402.74 v1(1341,4346.74)
  Bottom Layer w8: OLED2.10@1341,4210.41 v1(1341,4346.74)
NetOLED2_11: OLED2.11 R46.2 | length 644.7
  Top Layer w8: R46.2@913.32,4475.74 1264.22,4475.74 v1(1369.22,4370.74)
  Bottom Layer w8: OLED2.11@1367,4213.53 OLED2.11@1370,4210.53 ; OLED2.11@1369.22,4229.65 v1(1369.22,4370.74)
NetOLED2_26: OLED2.26 R52.1 | length 542.1
  Top Layer w8: v1(1784,4363.74) 1784,4391.74 1897,4504.74 R52.1@2096.68,4504.74
  Bottom Layer w8: OLED2.26@1782.61,4209.75 1782.61,4362.35 v1(1784,4363.74)
NetP4_1: P4.1 U7.5 | length 243.8
  Top Layer w20: P4.1@4965,1268.74 4965,1383.74 5022.36,1441.1 U7.5@5022.36,1488.74
NetP4_2: P4.2 U7.4 | length 239.6
  Top Layer w20: U7.4@4817.64,1488.74 4817.64,1403.1 4865,1355.74 P4.2@4865,1268.74
NetQ5_1: Q5.1 R42.1 | length 143
  Top Layer w8: Q5.1@2505.4,4215.11 2531.63,4215.11 2547,4199.74 2547,4152.74 2554.31,4145.43 R42.1@2592,4145.43
NetQ5_2: Q5.2 R56.2 U5.13 | length 282
  Top Layer w8: R56.2@2361,4215.06 2361.05,4215.11 Q5.2@2430.6,4215.11 2430.6,4259.34 2445,4273.74 2515,4273.74 2534,4292.74 U5.13@2534,4343.65
NetQ6_1: Q6.1 R56.1 | length 516.2
  Top Layer w8: R56.1@2361,4145.43 2409.69,4145.43 2440,4175.74 2510,4175.74 2524,4161.74 2524,4128.74 2548,4104.74 2631,4104.74 2649,4122.74 2649,4156.74 2669,4176.74 2721,4176.74 2737.4,4193.14 Q6.1@2737.4,4215.11
NetQ6_2: Q6.2 R42.2 U5.14 | length 202.4
  Top Layer w8: U5.14@2584,4343.65 2584,4223.16 2592.05,4215.11 Q6.2@2662.6,4215.11
NetR8_2: R8.2 U12.2 | length 118.3
  Top Layer w8: U12.2@3892.36,5453.74 R8.2@4010.68,5453.74
NetR10_1: R10.1 U12.6 | length 107.7
  Top Layer w8: R10.1@3589.32,5489.74 3608.32,5508.74 3680.64,5508.74 U12.6@3686.64,5502.74
NetR11_2: R11.2 U12.4 | length 125.1
  Top Layer w8: U12.4@3891.36,5552.74 3949,5552.74 3963,5538.74 R11.2@4010.68,5538.74
NetR12_1: R12.1 U12.5 | length 102.3
  Top Layer w8: R12.1@3589.32,5564.74 3601.31,5552.74 U12.5@3686.64,5552.74
NetR38_2: R38.2 U23.2 | length 122.4
  Top Layer w15: R38.2@1424.32,5407.74 1454,5407.74 1481.75,5435.49 U23.2@1535.17,5435.49